# Altium PCB CYAN_AMP_2.PcbDoc
Units mm, origin at the board's own origin, x right, y up, seen from the top; angles counter-clockwise.
Board outline 100 x 127 mm, 2 copper layers (Top Layer, Bottom Layer); 92 components, 46 nets, 247 pads, 118 vias.
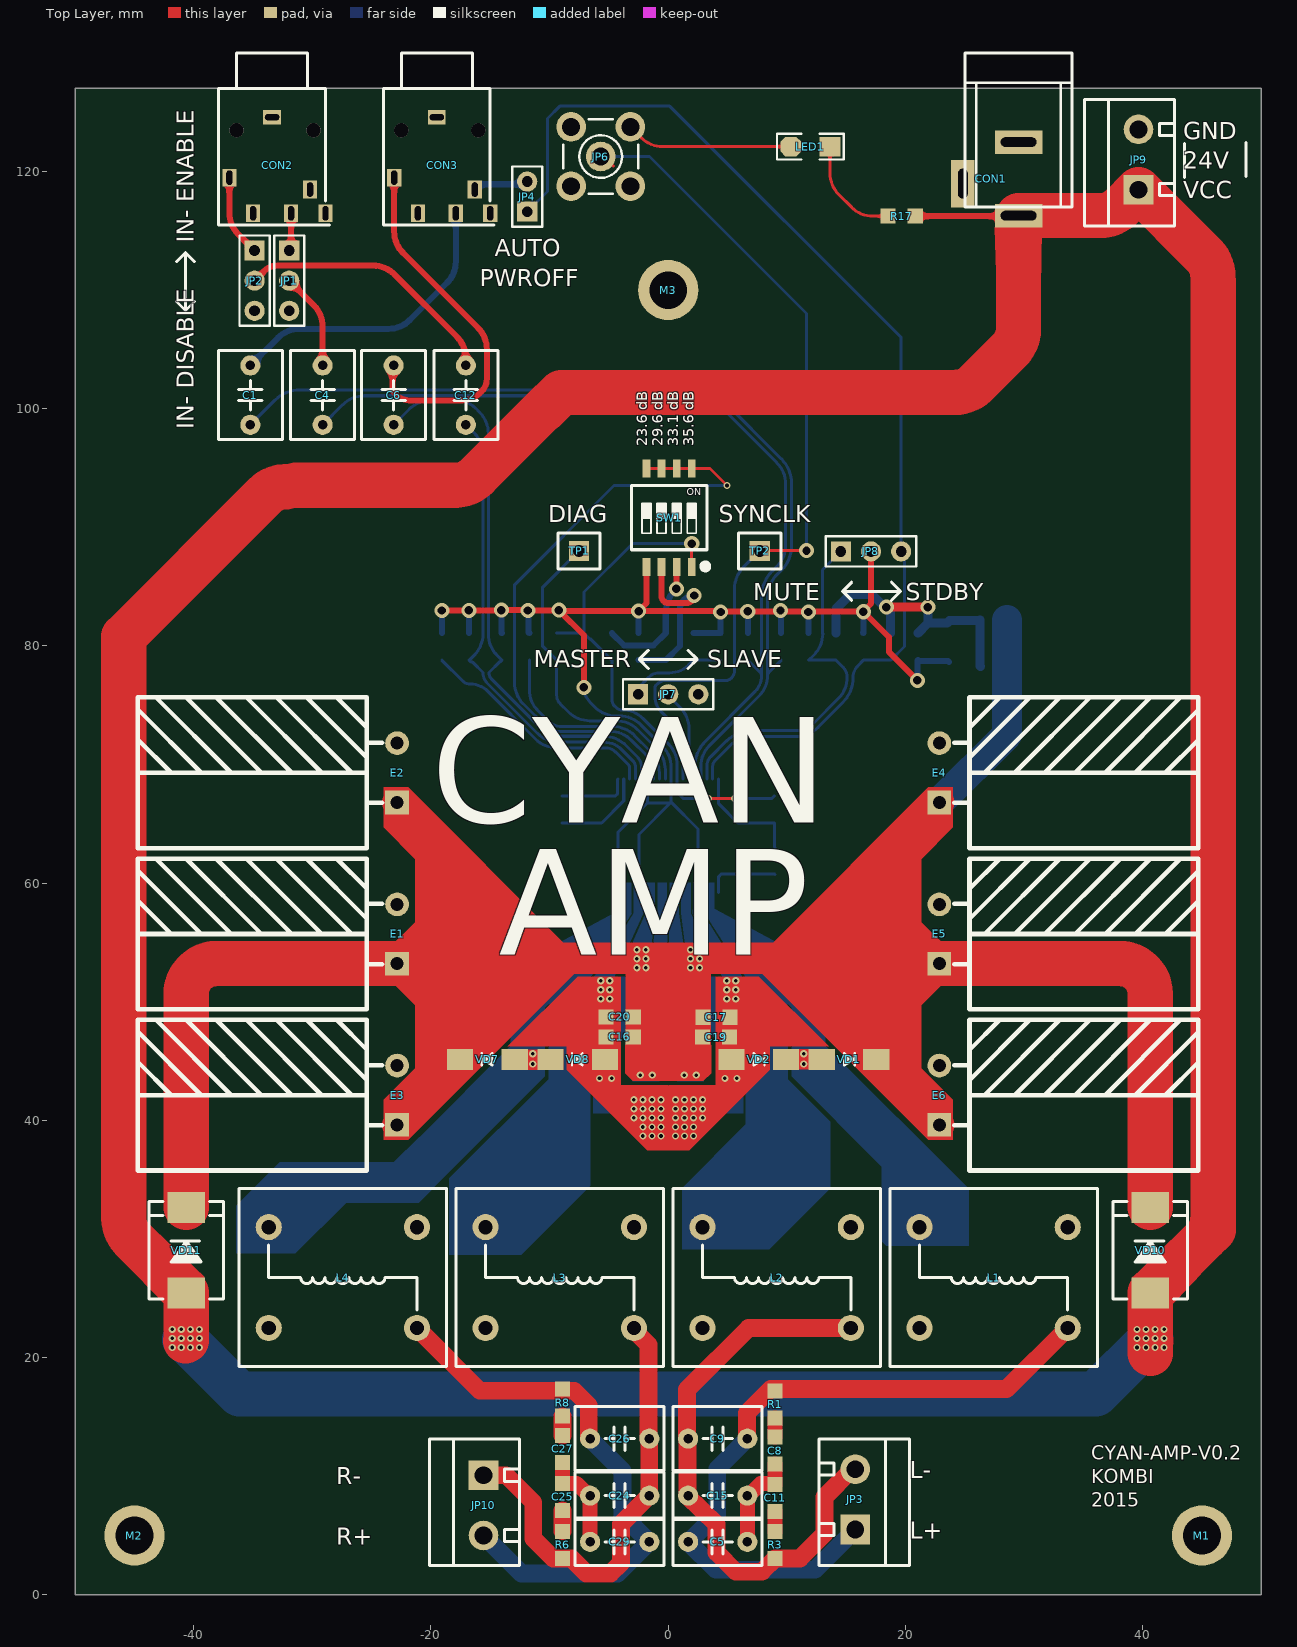
[diagram p0: Top Layer view]
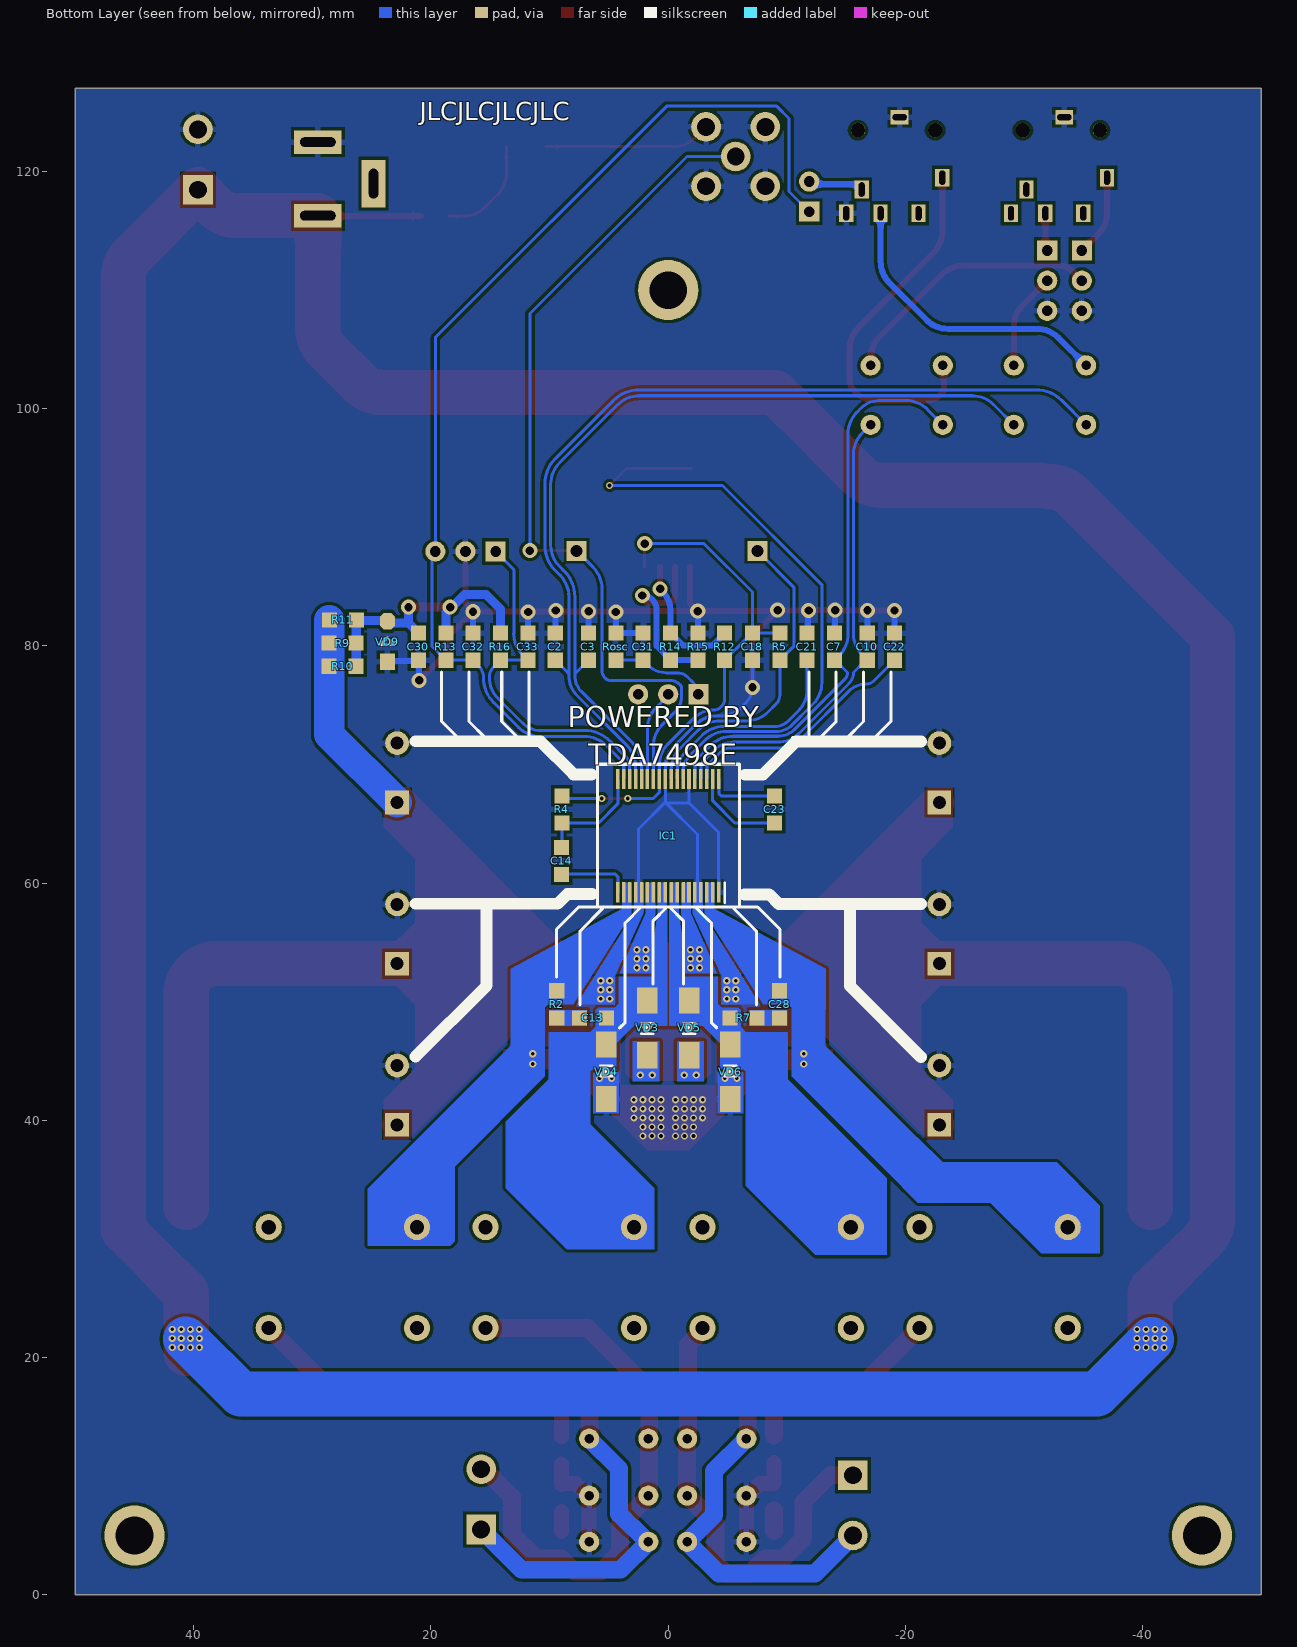
[diagram p1: Bottom Layer view, seen from below]
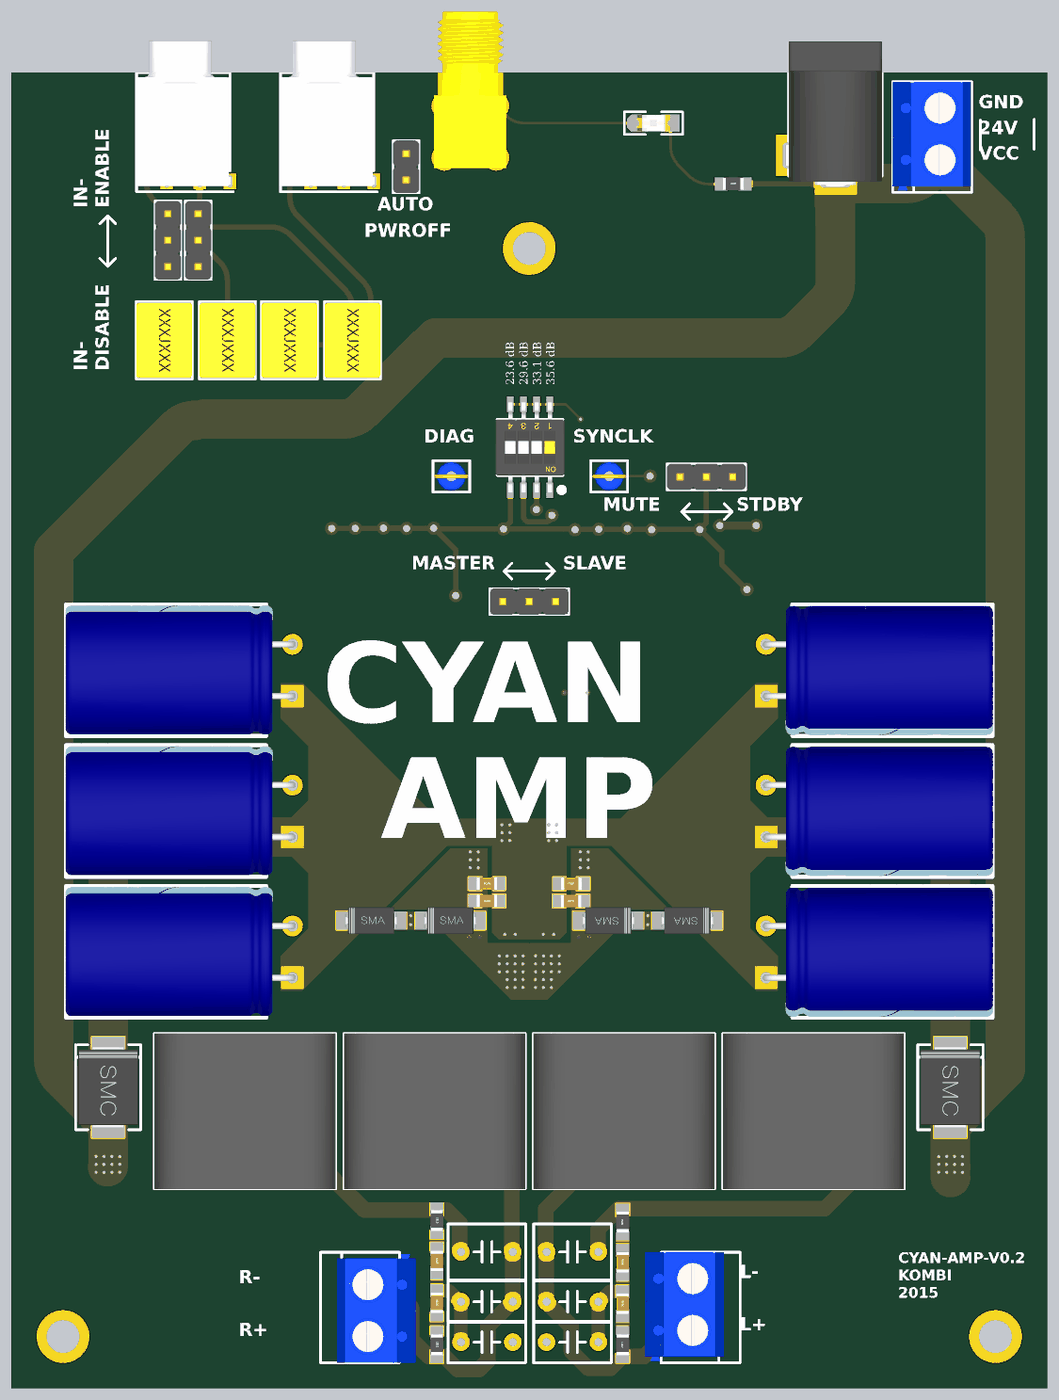
[diagram p2: 3D render of the assembled board from above, using the file's embedded part models]
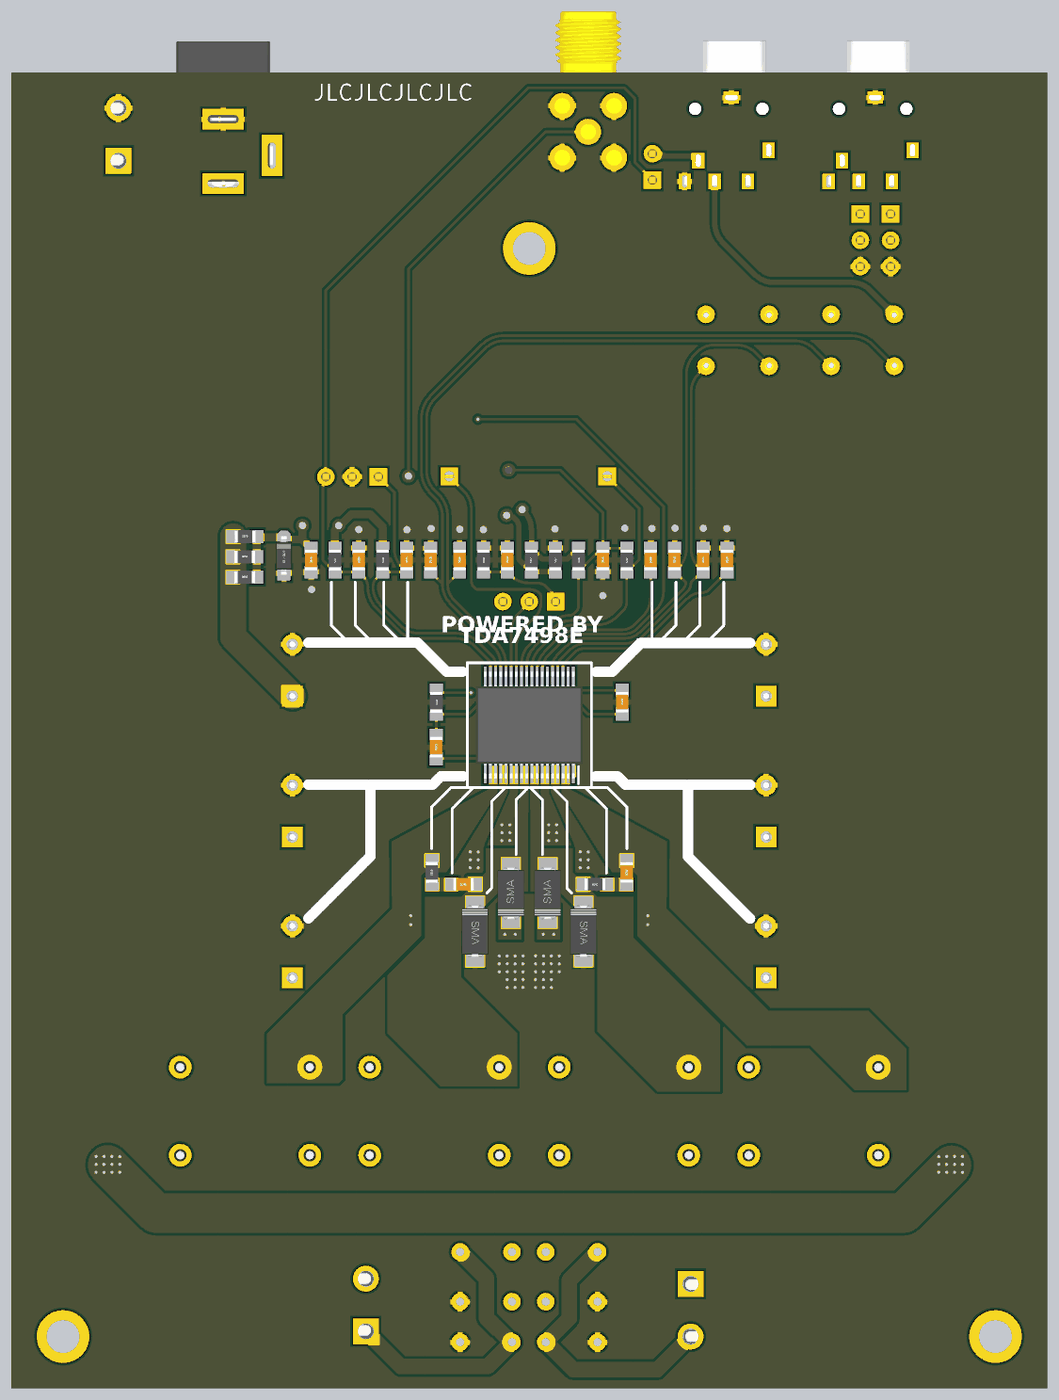
[diagram p3: 3D render of the assembled board from below, using the file's embedded part models]

## Layer stack, top to bottom
Top Solder: solder mask 0.0102, Solder Resist, Dk 3.5
Top Layer: signal copper 0.0356
Dielectric1: dielectric 0.32, FR-4, Dk 4.8
Bottom Layer: signal copper 0.0356
Bottom Solder: solder mask 0.0102, Solder Resist, Dk 3.5

## Board outline
-50,0 -50,127 50,127 50,0

## Design rules (kind name [scope] priority, off if disabled: settings)
Clearance POLY [InPolygon] p1: gap=0.254 ignorepadtopadclearanceinfootprint=TRUE
Clearance [All] p2: gap=0.153 ignorepadtopadclearanceinfootprint=TRUE
ComponentClearance [All] p1: gap=0.254 collisioncheckmode=3 verticalgap=0.254 showdistances=TRUE
DiffPairsRouting [All] p1: maxlimit=0.254 minlimit=0.254 mostfreqgap=0.254 toplayer_minwidth=0.2 toplayer_maxwidth=1.5 toplayer_prefwidth=0.5 bottomlayer_minwidth=0.2 bottomlayer_maxwidth=1.5 bottomlayer_prefwidth=0.5 maxuncoupledlength=12.7
HoleSize [All] p1: absolutevalues=TRUE maxlimit=5 minlimit=0.025 maxpercent=80.000 minpercent=20.000
HoleToHoleClearance [All] p1: gap=0.2 allowstackedmicrovias=TRUE
MinimumSolderMaskSliver [All] p1: minsoldermaskwidth=0
PlaneConnect [All] p1: planeconnectstyle=Direct reliefexpansion=0.508 reliefentries=4 reliefconductorwidth=0.254 reliefairgap=0.254
PolygonConnect fill [IsVia] p1: connectstyle=Direct reliefconductorwidth=0.254 reliefentries=4 polygonreliefangle="90 Angle" airgapwidth=0.254
PolygonConnect [All] p2: connectstyle=Relief reliefconductorwidth=0.5 reliefentries=4 polygonreliefangle="90 Angle" airgapwidth=0.254
RoutingVias [All] p1: holewidth=0.305 width=0.61 viastyle="Through Hole" minholewidth=0.3 minwidth=0.61 maxholewidth=1.2 maxwidth=2
SilkToSilkClearance [All] p1: silktosilkclearance=0.2
SilkToSolderMaskClearance [IsPad] p1: minsilkscreentomaskgap=0 clearancetoexposedcopper=TRUE
SolderMaskExpansion [All] p1: expansion=0.1 istentingtop=FALSE
UnRoutedNet [All] p1: checkbadconnections=TRUE
Width [All] p1: maxlimit=5.08 minlimit=0.153 preferedwidth=0.2
21 further rules are at their usual default settings.

## Components (designator, comment, footprint, x,y, rotation, side; value= is the part's Value field where it differs from the comment)
C1 "" "CBB-T 5*10*5.4" -35.23,101.143 r270 top value=1uf
C2 "C" "C 0805" 9.525,79.938 r270 bottom value=1NF
C3 "C" "C 0805" 6.723,79.938 r90 bottom value=1NF
C4 "" "CBB-T 5*10*5.4" -29.134,101.143 r270 top value=1uf
C5 "" "CBB-T 5*7.5*3.5" 4.171,4.464 r180 top locked value=224J100
C6 "" "CBB-T 5*10*5.4" -23.147,101.143 r270 top value=1uf
C7 "C" "C 0805" -14.017,79.938 r270 bottom value=1NF
C8 "C" "C 0805" 9.012,12.168 r90 top value=220NF
C9 "" "CBB-T 5*10*5.4" 4.171,13.168 r0 top locked value="1uf/4OHM || 470nf/8OHM"
C10 "C" "C 0805" -16.778,79.938 r90 bottom value=1NF
C11 "C" "C 0805" 9.007,8.168 r90 top value=220NF
C12 "" "CBB-T 5*10*5.4" -17.059,101.143 r270 top value=1uf
C13 "C" "C 0805" 6.35,48.645 r0 bottom value=330PF
C14 "C" "C 0805" 8.992,61.878 r90 bottom value=100NF
C15 "" "CBB-T 5*7.5*3.5" 4.171,8.368 r0 top locked value=224J100
C16 "C" "C 0805" -4.089,47.045 r180 top value=1UF
C17 "C" "C 0805" 4.064,48.696 r0 top value=100NF
C18 "C" "C 0805" -7.104,79.938 r90 bottom value=100NF
C19 "C" "C 0805" 4.039,47.019 r0 top value=1UF
C20 "C" "C 0805" -4.089,48.721 r180 top value=100NF
C21 "C" "C 0805" -11.712,79.938 r270 bottom value=10UF
C22 "C" "C 0805" -19.082,79.938 r270 bottom value=4.7UF
C23 "C" "C 0805" -8.966,66.222 r270 bottom value=100NF
C24 "" "CBB-T 5*7.5*3.5" -4.091,8.368 r0 top locked value=224J100
C25 "C" "C 0805" -8.912,8.26 r270 top value=220NF
C26 "" "CBB-T 5*10*5.4" -4.091,13.168 r0 top locked value="1uf/4OHM || 470nf/8OHM"
C27 "C" "C 0805" -8.912,12.303 r270 top value=220NF
C28 "C" "C 0805" -9.398,49.788 r270 bottom value=330PF
C29 "" "CBB-T 5*7.5*3.5" -4.091,4.464 r180 top locked value=224J100
C30 "C" "C 0805" 21.057,79.938 r90 bottom value=39NF
C31 "C" "C 0805" 2.114,79.938 r270 bottom value=100NF
C32 "C" "C 0805" 16.448,79.938 r270 bottom value=2.2UF
C33 "C" "C 0805" 11.839,79.938 r90 bottom value=2.2UF
CON1 "3.5*1.3" DC-005 29.54,122.475 r90 top
CON2 "PJ342" PJ343 -33.395,126.975 r270 top
CON3 "PJ342" PJ343 -19.507,126.975 r270 top
E1 "" "CAP 5.0*12.5*20-H" -22.86,55.715 r90 top value=680UF
E2 "" "CAP 5.0*12.5*20-H" -22.86,69.304 r90 top locked value=680UF
E3 "" "CAP 5.0*12.5*20-H" -22.86,42.126 r90 top locked value=680UF
E4 "" "CAP 5.0*12.5*20-H" 22.86,69.304 r90 top locked value=680UF
E5 "" "CAP 5.0*12.5*20-H" 22.86,55.715 r90 top locked value=680UF
E6 "" "CAP 5.0*12.5*20-H" 22.86,42.126 r90 top locked value=680UF
IC1 "TDA7498ETR" TDA7498E-SSOP36 0,64.008 r270 bottom locked
JP1 "HDR-1X3" HDR-1X3 -31.953,113.335 r270 top
JP2 "HDR-1X3" HDR-1X3 -34.874,113.335 r270 top
JP3 "HDR-1X2" KF301-2P 15.773,5.512 r90 top
JP4 "HDR-1X2" HDR-1X2 -11.887,116.611 r90 top
JP6 "SMA" SMA_FR -5.69,121.26 r0 top
JP7 "HDR-1X3" HDR-1X3 -2.54,75.924 r0 top
JP8 "HDR-1X3" HDR-1X3 14.554,87.964 r0 top
JP9 "HDR-1X2" KF301-2P 39.649,118.466 r90 top
JP10 "HDR-1X2" KF301-2P -15.57,10.084 r270 top
L1 "22uH" 7G17A/C 27.432,26.75 r0 top locked
L2 "22uH" 7G17A/C 9.144,26.75 r0 top locked
L3 "22uH" 7G17A/C -9.144,26.75 r0 top locked
L4 "22uH" 7G17A/C -27.432,26.75 r0 top locked
LED1 "红色" "LED 1206R" 11.989,122.098 r180 top
M1 "M3" "M3 125X200"#1 45,5 r0 top
M2 "M3" "M3 125X200"#1 -45,5 r0 top
M3 "M3" "M3 125X200"#2 0,113.132 r0 top
R1 "R" "R 0805" 9.012,16.057 r90 top value=8
R2 "R" "R 0805" 9.398,49.788 r90 bottom value=22
R3 "R" "R 0805" 9.012,4.215 r90 top value=8
R4 "R" "R 0805" 8.966,66.222 r270 bottom value=22
R5 "R" "R 0805" -9.408,79.938 r270 bottom value=47K
R6 "R" "R 0805" -8.912,4.215 r270 top value=8
R7 "R" "R 0805" -6.35,48.645 r0 bottom value=22
R8 "R" "R 0805" -8.912,16.203 r270 top value=8
R9 "R" "R 0805" 27.457,80.242 r180 bottom value=22k
R10 "R" "R 0805" 27.457,78.287 r180 bottom value=22k
R11 "R" "R 0805" 27.432,82.198 r180 bottom value=22k
R12 "R" "R 0805" -4.75,79.938 r270 bottom value=100K
R13 "R" "R 0805" 18.752,79.938 r270 bottom value=33K
R14 "R" "R 0805" -0.209,79.938 r90 bottom value=100K
R15 "R" "R 0805" -2.513,79.938 r270 bottom value=100K
R16 "R" "R 0805" 14.144,79.938 r270 bottom value=33K
R17 "R" "R 0805" 19.685,116.23 r0 top value=4.3K
Rosc "R" "R 0805" 4.418,79.938 r270 bottom value=39K
SW1 "CSW-4P" "CSW1.27 SMD-4P" 0.076,90.809 r180 top
TP1 "TEST TP" "TEST TP1.4_B" -7.518,88.015 r180 top
TP2 "TEST TP" "TEST TP1.4_B" 7.722,88.015 r180 top
VD1 "SS34" SMA 15.24,45.14 r0 top
VD2 "SS34" SMA 7.62,45.14 r0 top
VD3 "SS34" SMA 1.778,47.795 r270 bottom
VD4 "SS34" SMA 5.232,44.098 r90 bottom
VD5 "SS34" SMA -1.778,47.795 r270 bottom
VD6 "SS34" SMA -5.232,44.098 r90 bottom
VD7 "SS34" SMA -15.24,45.14 r180 top
VD8 "SS34" SMA -7.62,45.14 r180 top
VD9 "BZT52C3V3" SOD-123 23.673,80.369 r90 bottom
VD10 "SS1060C" SMC 40.64,29.061 r90 top
VD11 "SS1060C" SMC -40.64,29.061 r90 top

## Footprints (in the part's own frame and the unit in brackets; to place one, negate y for a bottom-side part, rotate by r counter-clockwise, add the part's x,y. Pads: shape width x height; smd on the part's side, far side on the other; paste and mask are expansions set on the pad)
7G17A/C [mm] "17.5*15*19.3mm(长宽高）"
  round 2.2 hole 1.2: 0(-6.25,-4.25) 0(6.25,4.25) 1(-6.25,4.25) 2(6.25,-4.25)
  silkscreen extent -8.75,-7.5 8.75,7.5, body extent -8.75,-7.5 8.75,7.5, height 19.3
"C 0805" [mil] "无极性贴片电容"
  rect 50x50 smd: 1(-45,0) 2(45,0)
  body extent -39,-24 39,24, height 20
"CAP 5.0*12.5*20-H" [mm] "脚距5mm直径12.5mm高度20mm"
  rect 2x2 hole 1.1: 1(-2.5,0)
  round 2 hole 1.1: 2(2.5,0)
  silkscreen extent -6.35,1.27 6.35,21.84, body extent -6.25,-0.3 6.26,21.91, height 12.53
"CBB-T 5*7.5*3.5" [mm] "CBB校正电容 脚距5mm高7.5mm厚3.5mm"
  round 1.7 hole 0.8: 1(-2.5,0) 2(2.5,0)
  silkscreen extent -3.75,-2 3.75,2
"CBB-T 5*10*5.4" [mm] "CBB校正电容 脚距5mm高10mm厚5.4mm"
  round 1.7 hole 0.8: 1(-2.5,0) 2(2.5,0)
  silkscreen extent -3.75,-2.7 3.75,2.7, body extent -3.6,-2.7 3.6,2.7, height 10.01
"CSW1.27 SMD-4P" [mm] "长：6.68mm，宽：5.4mm，高：2.3mm"
  rect 0.65x1.5 smd: 1(-1.905,4.15) 2(-0.635,4.15) 3(0.635,4.15) 4(1.905,4.15) 5(1.905,-4.15) 6(0.635,-4.15) 7(-0.635,-4.15) 8(-1.905,-4.15)
  silkscreen extent -3.3,-2.7 3.18,4.35, body extent -3.34,-4.35 3.34,4.35, height 2.35
DC-005 [mm] "5.5*2.1mm，DC30V,2.5A"
  rect 2x4 hole 0.8 slot 3 at 90 deg: 1(-6.2,0) 2(0,0)
  rect 4x2 hole 0.8 slot 2.5 at 0 deg: 3(-3.5,4.7)
  silkscreen extent -5.48,-4.5 7.5,4.5, body extent -6.55,-4.5 7.5,4.8, height 11.2
HDR-1X2 [mm] "排针，2脚"
  rect 1.7x1.7 hole 0.9: 1(0,0)
  round 1.7 hole 0.9: 2(2.54,0)
  silkscreen extent -1.27,-1.27 3.81,1.27, body extent -1.27,-1.27 3.81,1.27, height 8.5
HDR-1X3 [mm] "排针，3脚"
  rect 1.7x1.7 hole 0.9: 1(0,0)
  round 1.7 hole 0.9: 2(2.54,0) 3(5.08,0)
  silkscreen extent -1.27,-1.27 6.35,1.27, body extent -1.27,-1.27 6.35,1.27, height 8.5
KF301-2P [mm] "可拼接端子/6A"
  rect 2.5x2.5 hole 1.5: 1(0,0)
  round 2.5 hole 1.5: 2(5.08,0)
  silkscreen extent -3.05,-4.57 7.62,3.05, body extent -2.87,-3 7.63,4.6, height 10.05
"LED 1206R" [mil] "红色1206LED"
  rect 70x65 smd: 1(-65,0)
  oct 70x65 smd: 2(65,0)
  silkscreen extent -111,-43 111,43, body extent -63,-32 63,32, height 40
"M3 125X200"#1 [mm] "M3螺丝孔，孔125Mil，焊盘200Mil"
  round 5.08 hole 3.175: 0(0,0)
"M3 125X200"#2 [mm] "M3螺丝孔，孔125Mil，焊盘200Mil"
  round 5.08 hole 3.175: 0(0,-3.132)
PJ343 [mm]
  round 1.2 hole 1.2 unplated: 0(3.5,3.5) 0(3.5,-3)
  rect 1.2x1.5 hole 0.5 slot 1.2 at 90 deg: 1(2.4,0)
  rect 1.5x1.2 hole 0.5 slot 1.2 at 0 deg: 2(10.5,1.6) 3(7.5,-3.6) 4(10.5,-1.6) 5(8.5,3.2) 6(10.5,4.5)
  silkscreen extent -3,-4.5 11.5,4.83, body extent -3.05,-4.6 10.95,4.59, height 6.76
"R 0805" [mil] "1/8W贴片电阻"
  rect 50x50 smd: 1(-45,0) 2(45,0)
  body extent -39,-25 39,25, height 20
SMA [mm] "4.5x2.6*2.2mm（长宽高，不包括引脚）"
  rect 2.2x1.75 smd: 1(-2.3,0) 2(2.3,0)
  silkscreen extent -0.4,-0.51 0.49,0.51, body extent -2.53,-1.3 2.57,1.3, height 2.15
SMA_FR [mm]
  round 2.5 hole 1.5: 1(0,0) 2(-2.5,2.5) 2(2.5,2.5) 3(-2.5,-2.5) 3(2.5,-2.5)
  silkscreen extent -3.15,-3.15 3.15,3.15, body extent -3.5,-3.5 3.5,11.6, height 10.26